# Altium PCB TestMod_SEAx.PcbDoc (part 2 of 3)
Units mil, origin at the board's own origin, x right, y up, seen from the top; angles counter-clockwise.
Board outline 3972.98 x 2716.54 mil, 4 copper layers (Top Layer, GND, Power, Bottom Layer), stack 57.48 mil thick; 154 components, 159 nets, 915 pads, 889 vias.
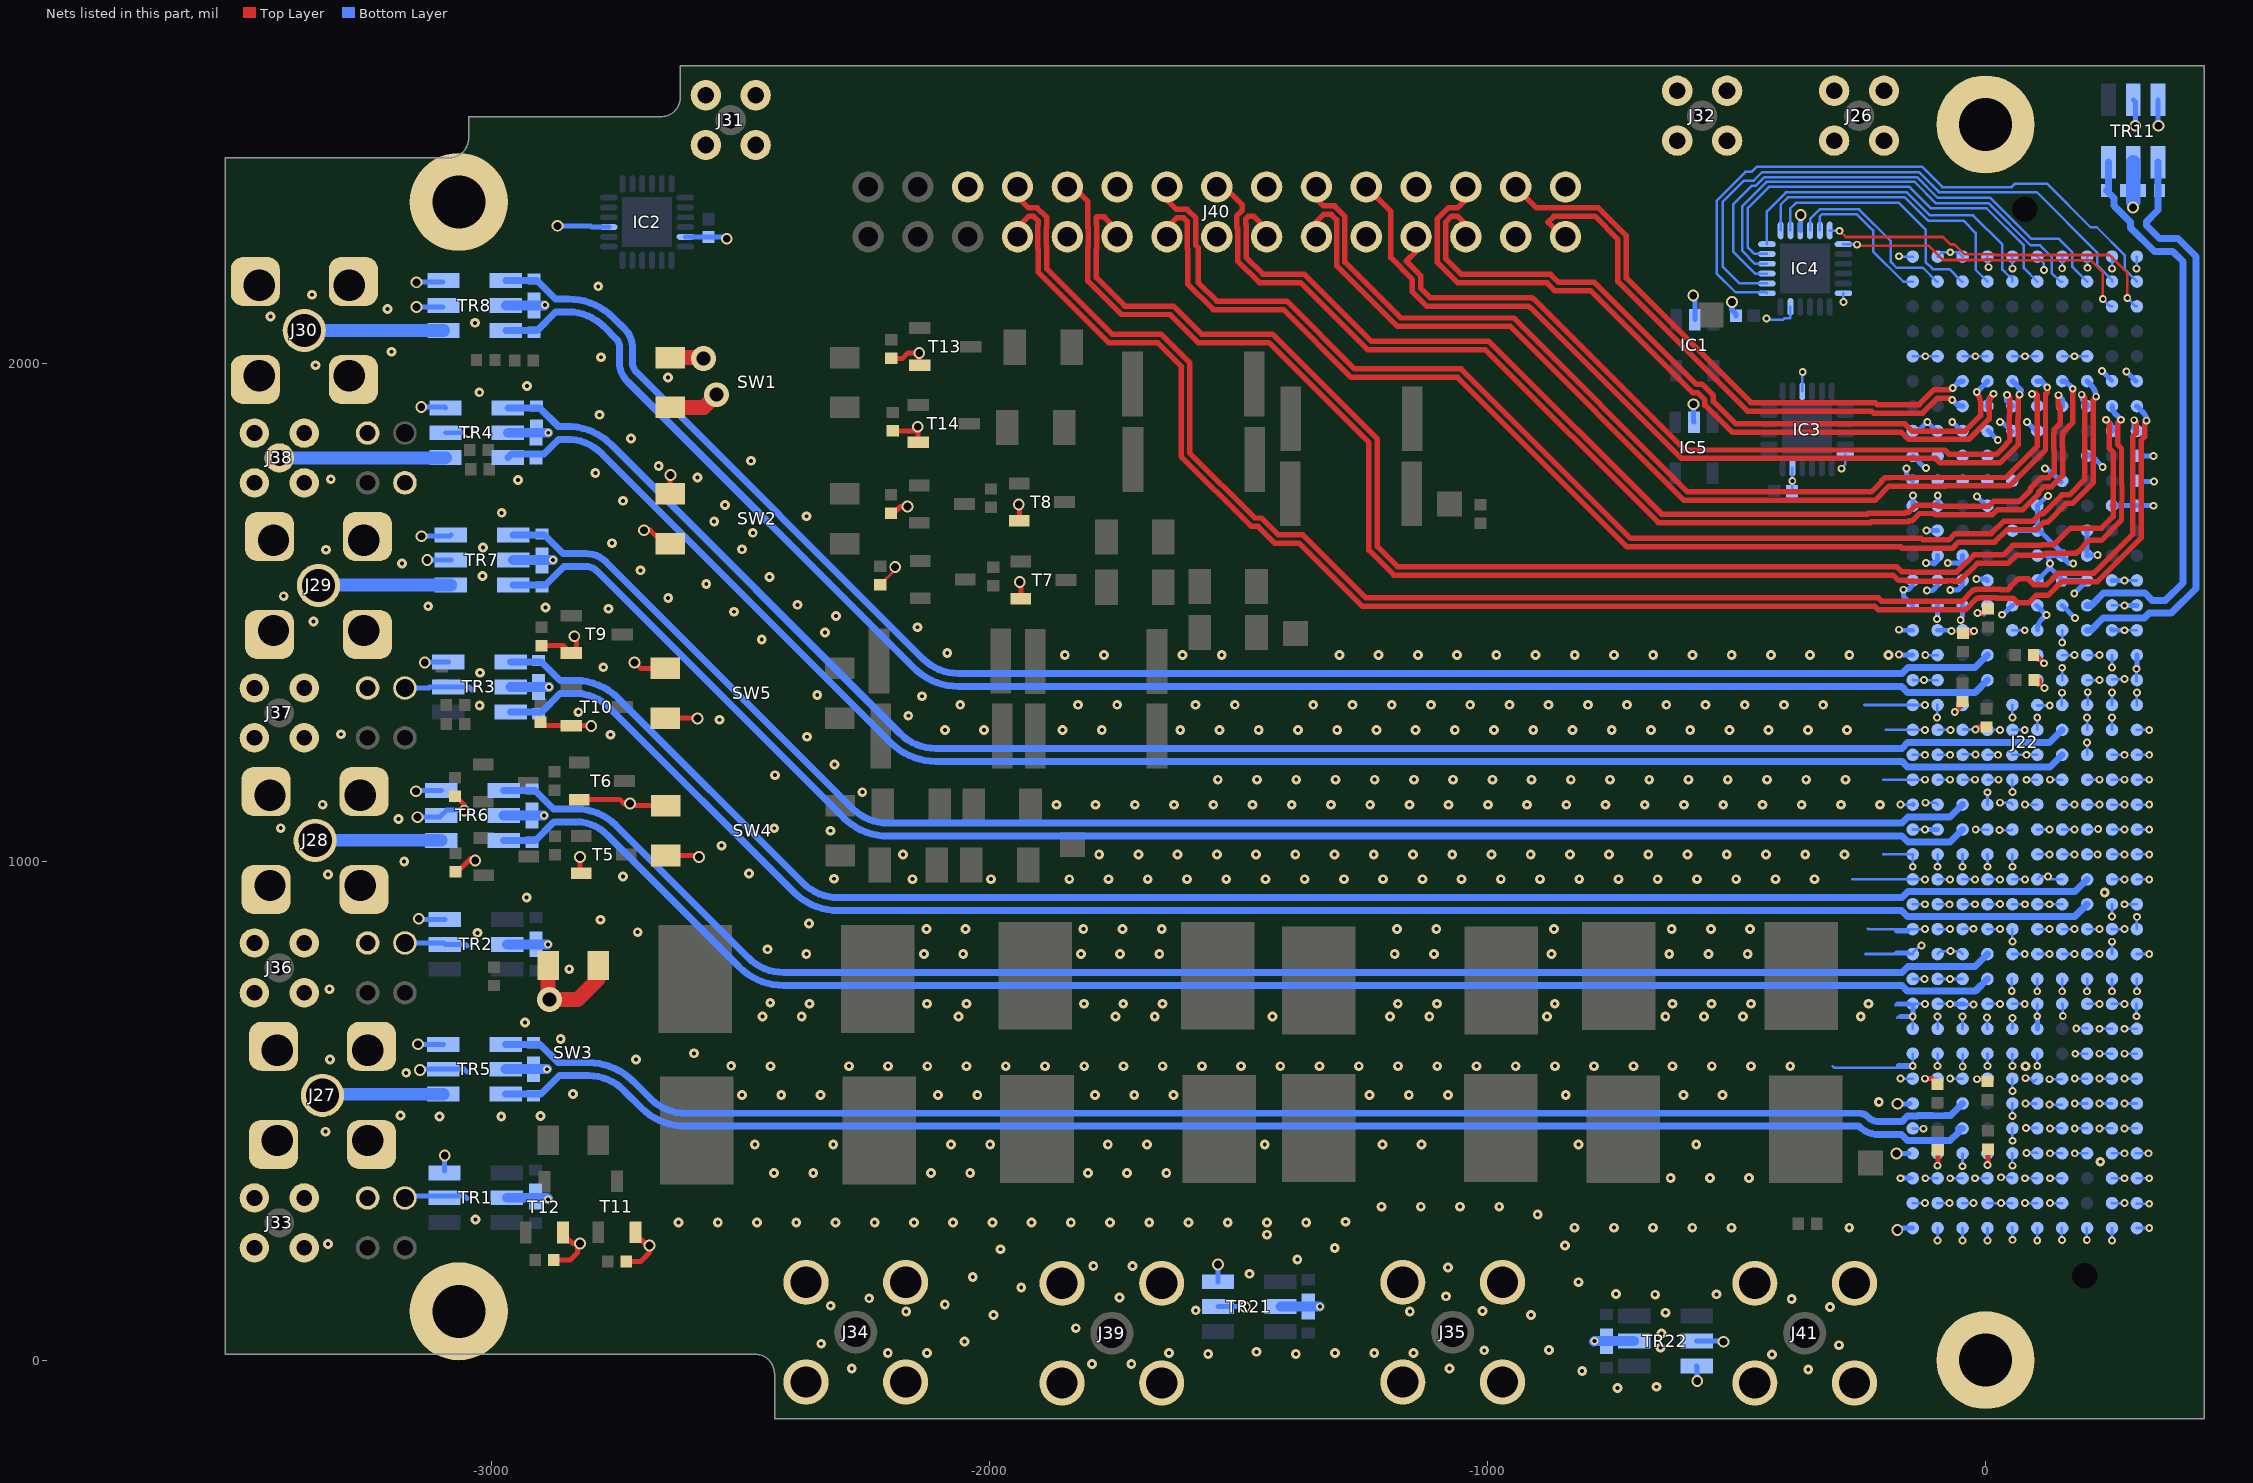
[diagram p4: the nets of this part, all layers, seen from the top]

## Via types
v1: diameter 19.68, hole 7.87, Top Layer to Bottom Layer, tented both sides, 436 vias
v2: diameter 15.75, hole 7.87, Top Layer to Bottom Layer, tented both sides, 372 vias
v3: diameter 23.62, hole 15.75, Top Layer to Bottom Layer, tented both sides, 64 vias
v4: diameter 50, hole 28, Top Layer to Bottom Layer, tented both sides, 13 vias
v5: diameter 15.75, hole 10, Top Layer to Bottom Layer, tented both sides, 4 vias

## Nets (pads, with @x,y where several pads share a name; then routed paths per layer and width w, separated by ;. In a path a pad name is that pad's centre, name@x,y a point inside that pad or via, vN(x,y) a via of type N, cw(c..) or ccw(c..) an arc to the next point about the centre after c; other vN are vias at no path point) (continued)
ADC2_IN_N: C9.1 J22.c14 TR3.4 | length 3379.1
  Bottom Layer w14: TR3.4@-2960.77,1301.27 -2898.44,1301.27 -2861.44,1338.27 -2831,1338.27 ; -2818,1338.27 -2831,1338.27 ; -2392.46,939.46 -2763.18,1310.18 ccw(c-2831,1242.35) -2831,1338.27 ; -2392.44,939.44 ccw(c-2303.37,1028.56) -2303.37,902.56 -168.45,902.56 -156.45,890.56 -151,890.56 -150.79,890.35 178.93,890.35 J22.c14@203.74,915.16
ADC2_IN_P: C8.1 J22.c15 TR3.6 | length 3378.9
  Bottom Layer w14: TR3.6@-2960.77,1401.27 -2898.98,1401.27 -2861.98,1364.27 -2831,1364.27 ; -2818,1364.27 -2831,1364.27 ; J22.c15@203.74,965.16 179.14,940.56 -155.65,940.56 -167.65,928.56 -2303.37,928.56 cw(c-2303.37,1028.56) -2374.08,957.85 -2744.79,1328.56 ccw(c-2831,1242.35) -2831,1364.27
ADC3: J38.1 TR4.3 | length 333.7
  Bottom Layer w25.43: J38.1@-3425.2,1811.02 -3093.15,1811.02 ccw(c-3093.15,1813.11) TR4.3@-3091.67,1811.64
ADC3_IN_N: C11.1 J22.d20 TR4.4 | length 3408.4
  Bottom Layer w14: TR4.4@-2966.47,1811.64 -2959.47,1818.64 -2894.25,1818.64 -2864.6,1848.28 -2839.64,1848.28 cw(c-2848.06,1748.64) -2777.35,1819.35 -2197.06,1239.06 ; -2197.03,1239.03 ccw(c-2107.97,1328.16) -2107.97,1202.16 -168.05,1202.16 -156.45,1190.56 129.14,1190.56 J22.d20@153.74,1215.16
ADC3_IN_P: C10.1 J22.d21 TR4.6 | length 3426.3
  Bottom Layer w14: TR4.6@-2966.47,1911.64 -2902.35,1911.64 -2865.35,1874.64 ; -2848.06,1874.64 -2865.35,1874.64 ; J22.d21@153.74,1265.16 128.54,1239.96 -152.21,1239.96 -152.42,1239.76 -156.45,1239.76 -168.05,1228.16 -2107.97,1228.16 cw(c-2107.97,1328.16) -2178.68,1257.45 -2758.96,1837.73 ccw(c-2848.06,1748.64) -2838.6,1874.28 -2865,1874.28 -2865.35,1874.64
CAL_ADC_CH1: J22.g32
CAL_ADC_CH2: J22.h32
CAL_ADC_CH3: J22.j32
CAL_ADC_CH4: J22.f31
CAL_ADC_CH5: J22.g31
CAL_ADC_CH6: J22.h31
CAL_ADC_CH7: J22.j31
DAC0: J27.1 TR5.3 | length 243.3
  Bottom Layer w25.43: J27.1@-3338.58,531.5 cw(c-3332.61,525.53) -3332.61,533.97 TR5.3@-3095.93,533.97
DAC0_OUT_N: C13.1 J22.h5 TR5.4 | length 2996.4
  Bottom Layer w14: TR5.4@-2970.73,533.97 -2900,533.97 -2863,570.97 -2804.45,570.97 cw(c-2804.45,470.97) -2733.74,541.68 -2698.58,506.52 ccw(c-2609.48,595.62) -2609.48,469.62 -254.38,469.62 ccw(c-213.21,510.79) -213.21,452.56 -168.45,452.56 -156.45,440.56 -71.07,440.56 -54.32,457.31 -54.32,465.16 J22.h5@-46.26,465.16
DAC0_OUT_P: C12.1 J22.h6 TR5.6 | length 2992.1
  Bottom Layer w14: TR5.6@-2970.73,633.97 -2902,633.97 -2865,596.97 -2804.45,596.97 cw(c-2804.45,470.97) -2715.35,560.06 -2680.19,524.9 ccw(c-2609.48,595.62) -2679.57,524.29 ccw(c-2609.48,595.62) -2609.48,495.62 -254.38,495.62 cw(c-254.38,469.62) -236,488 ccw(c-213.21,510.79) -213.21,478.56 -167.65,478.56 -156.45,489.76 -136.88,489.76 -135.63,491 -106.89,491 -106.45,490.56 -83.03,490.56 -82.43,491.16 -70.26,491.16 J22.h6@-46.26,515.16
DAC1: J28.1 TR6.3 | length 253.5
  Bottom Layer w25.43: J28.1@-3353.38,1043.31 -3353.24,1043.45 TR6.3@-3099.93,1043.45
DAC1_OUT_N: C15.1 J22.g11 TR6.4 | length 3145.6
  Bottom Layer w14: TR6.4@-2974.73,1043.45 -2911.27,1043.45 -2874.27,1080.45 -2829,1080.45 ; -2819,1080.45 -2829,1080.45 ; J22.g11@3.74,765.16 -20.86,740.56 -156.45,740.56 -168.17,752.28 -2412.86,752.28 cw(c-2412.86,878.28) -2501.95,789.18 -2767.92,1055.15 ccw(c-2829,994.06) -2829,1080.45
DAC1_OUT_P: C14.1 J22.g12 TR6.6 | length 3145.9
  Bottom Layer w14: TR6.6@-2974.73,1143.45 -2912.16,1143.45 -2875.16,1106.45 -2829,1106.45 ; -2819,1106.45 -2829,1106.45 ; J22.g12@3.74,815.16 -21.42,790 -156.21,790 -167.93,778.28 -2412.86,778.28 cw(c-2412.86,878.28) -2483.57,807.57 -2749.53,1073.53 ccw(c-2829,994.06) -2829,1106.45
DAC2: J29.1 TR7.3 | length 265.8
  Bottom Layer w25.43: J29.1@-3346.46,1555.12 cw(c-3343.95,1552.61) -3343.95,1556.16 TR7.3@-3080.93,1556.16
DAC2_OUT_N: C17.1 J22.h17 TR7.4 | length 3157.6
  Bottom Layer w14: TR7.4@-2955.73,1556.16 -2890.56,1556.16 -2853.56,1593.16 -2809.84,1593.16 cw(c-2809.84,1561.99) -2787.8,1584.03 -2292.67,1088.9 ccw(c-2203.58,1178) -2203.58,1052 -167.89,1052 -155.89,1040 -71.42,1040 J22.h17@-46.26,1065.16
DAC2_OUT_P: C16.1 J22.h18 TR7.6 | length 3157.6
  Bottom Layer w14: TR7.6@-2955.73,1656.16 -2892.87,1656.16 -2855.87,1619.16 -2809.84,1619.16 cw(c-2809.84,1561.99) -2769.42,1602.42 -2274.29,1107.29 ccw(c-2203.58,1178) -2203.58,1078 -168.21,1078 -156.21,1090 -71.42,1090 J22.h18@-46.26,1115.16
DAC3: J30.1 TR8.3 | length 279.5
  Bottom Layer w25.43: J30.1@-3375.03,2066.93 -3374.96,2067 TR8.3@-3095.6,2067
DAC3_OUT_N: C19.1 J22.g23 TR8.4 | length 3350.4
  Bottom Layer w14: TR8.4@-2970.4,2067 -2907.39,2067 -2870.39,2104 -2844.42,2104 ; -2833.65,2104 -2844.42,2104 ; J22.g23@3.74,1365.16 -20.86,1340.56 -156.45,1340.56 -168.35,1352.46 -2062.03,1352.46 cw(c-2062.03,1478.46) -2151.13,1389.36 -2726.81,1965.04 cw(c-2688.86,2003) -2742.54,2003 -2742.54,2034.39 ccw(c-2764.61,2034.39) -2749,2050 -2773.71,2074.71 ccw(c-2844.42,2004) -2844.42,2104
DAC3_OUT_P: C18.1 J22.g24 TR8.6 | length 3339.8
  Bottom Layer w14: TR8.6@-2970.4,2167 -2907.71,2167 -2870.71,2130 -2844.42,2130 cw(c-2844.42,2004) -2755.33,2093.1 -2730.62,2068.38 cw(c-2764.61,2034.39) -2716.54,2034.39 -2716.54,2003 ccw(c-2688.86,2003) -2708.44,1983.44 -2132.75,1407.74 ccw(c-2062.03,1478.46) -2062.03,1378.46 -167.75,1378.46 -155.86,1390.35 -21.07,1390.35 J22.g24@3.74,1415.16
GND: B7.1 B8.1 B9.1 B10.1 C4.2 C5.2 C6.2 C7.2 C8.2 C9.2 C10.2 C11.2 C12.2 C13.2 C14.2 C15.2 C16.2 C17.2 C18.2 C19.2 C20.2 C21.2 C23.2 C24.2 C25.2 C44.2 C45.1 C46.1 C47.1 IC1.2 IC2.9 IC2.23 IC3.9 IC3.18 IC3.23 IC4.9 IC4.18 IC4.23 IC5.2 J22.a1 J22.a2 J22.a3 J22.a4 J22.a5 J22.a6 J22.a7 J22.a8 J22.a9 J22.a10 J22.a11 J22.a12 J22.a13 J22.a14 J22.a15 J22.a16 J22.a17 J22.a18 J22.a19 J22.a20 J22.a21 J22.a22 J22.a23 J22.a24 J22.a25 J22.a26 J22.a27 J22.a30 J22.a31 J22.a32 J22.a35 J22.a40 J22.b1 J22.b2 J22.b3 J22.b4 J22.b5 J22.b6 J22.b7 J22.b8 J22.b9 J22.b10 J22.b11 J22.b12 J22.b13 J22.b14 J22.b15 J22.b16 J22.b17 J22.b18 J22.b19 J22.b20 J22.b21 J22.b22 J22.b23 J22.b24 J22.b25 J22.b26 J22.b27 J22.b30 J22.b35 J22.b40 J22.c1 J22.c4 J22.c5 J22.c6 J22.c7 J22.c8 J22.c9 J22.c10 J22.c11 J22.c12 J22.c13 J22.c16 J22.c17 J22.c18 J22.c19 J22.c20 J22.c21 J22.c22 J22.c23 J22.c24 J22.c27 J22.c28 J22.c29 J22.c32 J22.c36 J22.c40 J22.d1 J22.d2 J22.d3 J22.d4 J22.d5 J22.d6 J22.d7 J22.d10 J22.d11 J22.d12 J22.d13 J22.d14 J22.d15 J22.d16 J22.d17 J22.d18 J22.d19 J22.d22 J22.d23 J22.d24 J22.d25 J22.d26 J22.d27 J22.d28 J22.d31 J22.d36 J22.d40 J22.e1 J22.e2 J22.e3 J22.e4 J22.e5 J22.e6 J22.e7 J22.e8 J22.e9 J22.e10 J22.e11 J22.e12 J22.e13 J22.e14 J22.e15 J22.e16 J22.e17 J22.e18 J22.e19 J22.e20 J22.e21 J22.e22 J22.e23 J22.e24 J22.e25 J22.e26 J22.e27 J22.e28 J22.e29 J22.e30 J22.e33 J22.e36 J22.e40 J22.f1 J22.f2 J22.f3 J22.f4 J22.f5 J22.f6 J22.f7 J22.f8 J22.f9 J22.f10 J22.f11 J22.f12 J22.f13 J22.f14 J22.f15 J22.f16 J22.f17 J22.f18 J22.f19 J22.f20 J22.f21 J22.f22 J22.f25 J22.f26 J22.f29 J22.f33 J22.f36 J22.f40 J22.g1 J22.g2 J22.g3 J22.g4 J22.g7 J22.g8 J22.g9 J22.g10 J22.g13 J22.g14 J22.g15 J22.g16 J22.g17 J22.g18 J22.g19 J22.g20 J22.g21 J22.g26 J22.g27 J22.g30 J22.g33 J22.g36 J22.g40 J22.h1 J22.h2 J22.h3 J22.h4 J22.h7 J22.h8 J22.h9 J22.h10 J22.h11 J22.h12 J22.h13 J22.h14 J22.h15 J22.h16 J22.h19 J22.h20 J22.h21 J22.h22 J22.h25 J22.h26 J22.h27 J22.h28 J22.h33 J22.h36 J22.h40 J22.j1 J22.j2 J22.j3 J22.j4 J22.j7 J22.j8 J22.j9 J22.j10 J22.j11 J22.j12 J22.j13 J22.j14 J22.j15 J22.j16 J22.j17 J22.j18 J22.j19 J22.j20 J22.j21 J22.j22 J22.j23 J22.j24 J22.j25 J22.j26 J22.j27 J22.j28 J22.j29 J22.j30 J22.j33 J22.j36 J22.j40 J22.k1 J22.k2 J22.k3 J22.k4 J22.k5 J22.k6 J22.k7 J22.k8 J22.k9 J22.k10 J22.k11 J22.k12 J22.k13 J22.k14 J22.k15 J22.k16 J22.k17 J22.k18 J22.k19 J22.k20 J22.k21 J22.k22 J22.k23 J22.k24 J22.k25 J22.k26 J22.k27 J22.k30 J22.k31 J22.k32 J22.k33 J22.k36 J22.k40 J26.2 J27.2 J28.2 J29.2 J30.2 J31.2 J32.2 J33.2 J34.2 J35.2 J36.2 J37.2 J38.2 J39.2 J40.1 J40.4 J40.7 J40.10 J40.13 J40.16 J40.19 J40.22 J40.25 J41.2 LD1.2 LD2.1 LD3.1 LD4.1 LD5.1 LD6.1 LD7.1 LD8.1 R1.1 R2.1 R3.1 R4.1 R5.1 R6.1 R7.1 R8.1 R9.1 R10.1 R17.2 R18.2 R19.2 R20.2 R43.2 R44.2 R45.2 R46.2 R47.2 R48.2 SW1.3 SW1.4 SW2.3 SW2.4 SW3.3 SW3.4 SW4.3 SW4.4 SW5.3 SW5.4 T5.2 T6.2 T7.2 T8.2 T9.2 T10.2 T11.2 T12.2 T13.2 T14.2 TR1.1 TR1.2 TR1.5 TR2.1 TR2.2 TR2.5 TR3.1 TR3.2 TR3.5 TR4.1 TR4.2 TR4.5 TR5.1 TR5.2 TR5.5 TR6.1 TR6.2 TR6.5 TR7.1 TR7.2 TR7.5 TR8.1 TR8.2 TR8.5 TR11.1 TR11.2 TR11.5 TR21.1 TR21.2 TR21.5 TR22.1 TR22.2 TR22.5 | length 13487.4
  Top Layer w5.3: R19.2@-2219,1556.5 -2189,1586.5 v3(-2189,1592) ; v2(-17,564) -0.22,564 R9.1@3.94,559.84
  Top Layer w10: R18.2@-3072.84,1124.84 R18.2@-3072.84,1132.09 -3071.09,1132.09 -3053.02,1114.02 -3054,1113.05 v3(-3054,1103) ; R17.2@-3071.85,980.51 -3067.55,980.51 -3041.06,1007 v3@-3029.86,1007 ; R44.2@-2901,1280.5 -2894.14,1273.64 T10.2@-2839.57,1273.64 -2799.64,1273.64 v3(-2799,1273) ; R43.2@-2898.62,1434.27 -2854.53,1434.27 T9.2@-2839.57,1419.31 -2839.57,1420.69 -2829,1431.25 -2829,1449 v3(-2833,1453) ; R46.2@-2874.55,201.03 -2840.97,201.03 -2827,215 -2827,234 -2836,234 -2849,247 ccw(c-2851.48,244.52) T12.2@-2851.48,248.03 ; T6.2@-2822.84,1125 -2741.14,1125 -2733.27,1117.13 v3(-2721.46,1117.13) -2717.32,1112.99 SW4.3@-2649.61,1112.99 ; T5.2@-2821.85,977.36 v3(-2821.85,1009.84) ; R45.2@-2729.07,198.08 -2699.92,198.08 -2682,216 v3(-2682,230) -2687,230 T11.2@-2702.08,245.08 ; v3(-2712,1400.68) -2699.9,1388.58 SW5.3@-2650.59,1388.58 ; v3(-2693,1666) -2680.53,1666 -2653.5,1638.98 SW2.4@-2640.75,1638.98 ; SW5.4@-2650.59,1288.58 -2586.58,1288.58 v3(-2586,1288) ; SW4.4@-2649.61,1012.99 -2585.83,1012.99 v3(-2582.68,1009.84) ; SW2.3@-2640.75,1738.98 -2640.75,1776.25 v3(-2640,1777) ; R20.2@-2197.44,1700 -2191.93,1700 -2178.35,1713.58 v3(-2164.37,1713.58) ; R47.2@-2196.85,2011.02 -2174.02,2011.02 -2163.39,2021.65 v3(-2140.75,2021.65) -2140.75,1998.03 T13.2@-2139.76,1997.05 ; R48.2@-2193.9,1865.35 v3@-2143.51,1865.35 ; v3(-2143.51,1873.82) v3@-2143.51,1865.35 ; T14.2@-2142.72,1842.52 -2143.51,1843.3 v3@-2143.51,1865.35 ; v3(-1940.94,1717.52) -1939.57,1716.14 T8.2@-1939.57,1685.04 ; v3(-1938.98,1562.01) -1936.62,1559.65 T7.2@-1936.62,1528.54 ; v2(-121.81,565) -107.76,565 R2.1@-96.26,553.5 ; v2(-96.26,390.35) -96,390.61 R1.1@-96,422.06 ; v2(-62,1301) -46.26,1316.74 R5.1@-46.26,1322.05 ; R8.1@-45.28,1459.45 -27.55,1459.45 v2(-23,1464) ; v2(-20.19,1266) -15.33,1270.87 R3.1@1.97,1270.87 ; v2(-16,1500) -15,1499 -4.74,1499 R10.1@4.92,1508.66 ; v2(3.74,392) 4.92,393.18 R7.1@4.92,423.43 ; R6.1@96.26,1415.35 103,1415.35 103,1413 v2(117,1399) ; R4.1@97.24,1365.16 108,1365.16 108,1359 v2(118,1349) ; v3@296.41,2474.26 300.15,2478 v3(300.58,2478)
  Top Layer w30: SW3.4@-2885,792.2 -2885.63,791.57 -2885.63,738.91 v4@-2884.91,738.19 ; v4(-2883,724) -2826.09,724 -2785,765.09 SW3.3@-2785,792.2 ; SW1.4@-2640.75,1912.6 -2572.64,1912.6 v4(-2547.24,1937.99) ; SW1.3@-2640.75,2012.6 v4@-2573.62,2012.6
  Bottom Layer w5: v2(-440,2091) -437.95,2088.95 -405.86,2088.95 -403.82,2091 -391.73,2091 IC4.23@-391.73,2114.17 ; C46.1@-388.78,1744.09 C46.1@-388,1744.87 ; v2(-388,1765) C46.1@-388,1744.87 ; IC3.23@-387.8,1791.34 -387.8,1745.08 C46.1@-388,1744.87 ; IC3.9@-368.11,1944.88 -368.11,1978.35 v2@-367.2,1977.44 ; v2(-367.2,1983.9) v2@-367.2,1977.44 ; v2@-367.06,1977.3 v2@-367.2,1977.44 ; v2(-289.38,1789.46) -289.38,1791.32 -281.5,1799.21 IC3.18@-281.5,1818.9 ; v2(-285.43,2124.34) IC4.18@-285.43,2141.73 ; v2(-174,2216) -173.16,2215.16 J22.k40@-146.26,2215.16 ; J22.k36@-146.26,2015.16 v2(-121.06,2015.16) J22.j36@-96.26,2015.16 ; J22.j40@-96.26,2215.16 -87.42,2224 v2(-71,2224) -55.1,2224 J22.h40@-46.26,2215.16 ; J22.h36@-46.26,2015.16 v2(-20.67,2015.16) J22.g36@3.74,2015.16 ; J22.g40@3.74,2215.16 3.74,2196.26 v2(6,2194) ; J22.f36@53.74,2015.16 v2(78.74,2015.16) J22.e36@103.74,2015.16 ; v2(53.74,2190.94) J22.f40@53.74,2215.16 ; J22.e40@103.74,2215.16 117,2201.9 v2(117,2188) ; J22.d36@153.74,2015.16 v2(178.15,2015.16) J22.c36@203.74,2015.16 ; v2(153.74,2191.73) J22.d40@153.74,2215.16 ; J22.c40@203.74,2215.16 203.74,2193.33 v2(204.34,2192.73) ; J22.b40@253.74,2215.16 254,2214.9 v2(254,2191) ; v2(303.15,2190.94) 303.74,2191.53 J22.a40@303.74,2215.16
  Bottom Layer w5.3: -307.02,590.08 -304,587.06 -154.21,587.06 ccw(c-154.21,598.3) v2(-146.26,590.35) J22.k8@-146.26,615.16 ; -267.25,965.48 -266.93,965.16 J22.k15@-146.26,965.16 v2(-121.46,965.16) ; -243.47,1315.54 -243.1,1315.16 J22.k22@-146.26,1315.16 v2(-121.46,1315.16) ; -241.16,815.2 -241.11,815.16 J22.k12@-146.26,815.16 ; -236.31,865.64 -235.83,865.16 J22.k13@-146.26,865.16 v2(-121.46,865.16) ; -205.47,1165.24 -205.39,1165.16 J22.k19@-146.26,1165.16 v2(-121.46,1165.16) ; -204.95,1015.08 -204.87,1015.16 J22.k16@-146.26,1015.16 v2(-146.26,990.35) ; -200.41,1265.08 -200.33,1265.16 J22.k21@-146.26,1265.16 v2(-121.46,1265.16) ; -180.98,713 cw(c-175.77,707.79) -175.77,715.16 J22.k10@-146.26,715.16 v2(-121.46,715.16) ; -177.61,687.08 cw(c-170.64,680.11) -170.64,689.96 v2(-146.26,689.96) J22.k9@-146.26,665.16 ; v2(-171.07,365.16) J22.k3@-146.26,365.16 ; v2(-171.07,565.16) J22.k7@-146.26,565.16 ; v2(-171.07,1115.16) J22.k18@-146.26,1115.16 ; J22.k12@-148,816 -132,832 v2(-129,832) ; J22.k2@-146.26,315.16 v2(-121.46,315.16) ; J22.k5@-146.26,465.16 -145.67,464.57 v2(-125,464.57) ; J22.k11@-146.26,765.16 v2(-123,765.16) ; J22.k14@-146.26,915.16 v2(-121.46,915.16) ; J22.k17@-146.26,1065.16 v2(-121.46,1065.16) ; J22.k20@-146.26,1215.16 v2(-121.46,1215.16) ; J22.k23@-146,1366 -145,1365 v2(-124,1365) -123.84,1365.16 J22.j23@-96.26,1365.16 ; v2(-121.81,565) J22.j7@-97,565 ; v2(-121.07,365.16) J22.j3@-96.26,365.16 ; v2(-121.07,1415.16) J22.j24@-96.26,1415.16 ; v2(-121,1119) -100.1,1119 J22.j18@-96.26,1115.16 ; v2(-97.42,1290.35) J22.j22@-97.42,1315.16 ; J22.j2@-97,315.16 J22.j2@-96.26,315.16 v2(-72.19,315.16) ; J22.j14@-97,915 v2(-72.19,915) ; v2(-96.26,240.35) J22.j1@-96.26,265.16 ; v2(-96.26,390.35) J22.j4@-96.26,415.16 ; v2(-96.26,590.35) J22.j8@-96.26,615.16 ; J22.j9@-96.26,665.16 v2(-96.26,689.96) ; J22.j10@-96.26,715.16 v2(-71.46,715.16) ; J22.j11@-96.26,765.16 v2(-71.46,765.16) J22.h11@-46.26,765.16 ; J22.j12@-96.26,815.16 -90.42,821 v2(-70.8,821) -52.1,821 J22.h12@-46.26,815.16 ; J22.j13@-96.26,865.16 v2(-71.46,865.16) ; J22.j15@-96.26,965.16 v2(-71.46,965.16) ; v2(-96.26,990.35) J22.j16@-96.26,1015.16 ; J22.j19@-96.26,1165.16 v2(-71.46,1165.16) ; J22.j20@-96.26,1215.16 v2(-71.46,1215.16) ; J22.j21@-95,1265.16 v2(-70.19,1265.16) ; v2(-71.07,365.16) J22.h3@-46.26,365.16 ; v2(-71.07,565.16) J22.h7@-46.26,565.16 ; v2(-62,1301) -57.55,1301 J22.h22@-47.71,1310.84 ; v2(-46.26,240.35) J22.h1@-46.26,265.16 ; J22.h2@-46.26,315.16 v2(-24,315.16) ; v2(-46.26,389.19) J22.h4@-46.26,414 ; J22.h9@-46.26,665.16 v2(-46.26,689.96) ; J22.h10@-46.26,715.16 -45.91,714.8 -45,713.9 v2(-24,713.9) ; J22.h13@-46.26,865.16 -45.42,866 v2(-24,866) ; J22.h14@-46.26,915.16 v2(-21.46,915.16) ; J22.h15@-46.26,965.16 v2(-21.46,965.16) ; v2(-46.26,990.35) J22.h16@-46.26,1015.16 ; J22.h19@-46.26,1165.16 v2(-21.46,1165.16) ; v2(-46,589.19) J22.h8@-46,614 ; J22.h20@-45.28,1216 v2(-20.47,1216) ; J22.h21@-45,1266 v2(-20.19,1266) ; v2(-21.07,365.16) J22.g3@3.74,365.16 ; v2(-19.88,1065) J22.g17@4.92,1065 ; v2(-17,564) 2.58,564 J22.g7@3.74,565.16 ; v2(2.95,688) 2.95,665.94 J22.g9@3.74,665.16 ; v2(3.74,240.35) J22.g1@3.74,265.16 ; J22.g2@3.74,315.16 v2(31,315.16) J22.f2@53.74,315.16 ; v2(3.74,392) J22.g4@3.74,415.16 ; v2(3.74,590.35) J22.g8@3.74,615.16 ; J22.g10@3.74,715.16 v2(28.54,715.16) ; J22.g13@3.74,865.16 v2(28.54,865.16) ; J22.g14@3.74,915.16 28.35,915.16 v2(28.54,915.35) ; J22.g15@3.74,965.16 v2(28.54,965.16) ; v2(3.74,990.35) J22.g16@3.74,1015.16 ; J22.g18@3.74,1115.16 v2(3.74,1139.96) ; J22.g20@3.74,1215.16 v2(25,1215.16) ; J22.g21@3.74,1265.16 v2(28.54,1265.16) ; J22.g19@4,1166 4.84,1165.16 v2(26,1165.16) ; v2(28,1064) 52.58,1064 J22.f17@53.74,1065.16 ; v2(29,1119) 49.9,1119 J22.f18@53.74,1115.16 ; v2(31,367) 51.9,367 J22.f3@53.74,365.16 ; J22.f9@52.52,665.16 54,666.64 v2(54,687.08) ; v2(52.52,741.31) J22.f11@52.52,766.12 ; v2(53.74,241.58) J22.f1@53.74,265.16 J22.f1@53.74,266.38 ; v2(53.74,390.35) J22.f4@53.74,415.16 ; v2(53.74,440.35) J22.f5@53.74,465.16 ; v2(53.74,490.35) J22.f6@53.74,515.16 ; v2(53.74,540.35) J22.f7@53.74,565.16 ; v2(53.74,590.35) J22.f8@53.74,615.16 ; J22.f10@53.74,715.16 v2(78.54,715.16) ; J22.f12@53.74,815.16 v2(78.54,815.16) ; v2(53.74,840.35) J22.f13@53.74,865.16 ; J22.f14@53.74,915.16 v2(78.74,915.16) ; J22.f15@53.74,965.16 v2(79.33,965.16) ; v2(53.74,990.35) J22.f16@53.74,1015.16 ; v2(53.74,1140.35) J22.f19@53.74,1165.16 ; J22.f20@53.74,1215.16 v2(82,1215.16) J22.e20@103.74,1215.16 ; J22.f21@53.74,1265.16 v2(78.54,1265.16) ; v2(53.74,1290.35) J22.f22@53.74,1315.16 ; J22.f25@53.74,1465.16 v2(78.54,1465.16) ; v2(78.93,315.16) J22.e2@103.74,315.16 ; v2(78.93,365.16) J22.e3@103.74,365.16 ; v2(78.93,1115.16) J22.e18@103.74,1115.16 ; v2(80,515.16) 100.84,515.16 J22.e6@102,514 ; v2(80,566) 88,566 96,558 J22.e7@102,564 ; v2(81,466) 102.9,466 J22.e5@103.74,465.16 ; v2(82,416) 102.9,416 J22.e4@103.74,415.16 ; v2(82,1165) 103.58,1165 J22.e19@103.74,1165.16 ; v2(103.74,240.35) J22.e1@103.74,265.16 ; v2(103.74,590.35) J22.e8@103.74,615.16 ; v2(103.74,690.35) J22.e10@103.74,715.16 ; v2(103.74,740.35) J22.e11@103.74,765.16 ; J22.e12@103.74,815.16 v2(128.54,815.16) ; J22.e13@103.74,865.16 v2(128.54,865.16) ; J22.e14@103.74,915.16 v2(128.54,915.16) J22.d14@153.74,915.16 ; J22.e15@103.74,965.16 109.58,971 v2(125.19,971) 131.03,965.16 J22.d15@153.74,965.16 ; J22.e16@103.74,1015.16 v2(128.54,1015.16) ; J22.e17@103.74,1065.16 v2(128.54,1065.16) ; J22.e21@103.74,1265.16 v2(103.74,1289.96) ; J22.e23@103.74,1365.16 118,1350.9 v2(118,1349) ; J22.e24@103.74,1415.16 117,1401.9 v2(117,1399) ; J22.e22@104,1314 v2(128.81,1314) ; v2(128.19,513) J22.d6@153,513 ; v2(128.19,564) J22.d7@153,564 ; v2(128.93,315.16) J22.d2@153.74,315.16 ; v2(128.93,365.16) J22.d3@153.74,365.16 ; v2(128.93,415.16) J22.d4@153.74,415.16 ; v2(128.93,465.16) J22.d5@153.74,465.16 ; v2(128.93,1165.16) J22.d19@153.74,1165.16 ; v2(153,241.19) J22.d1@153,266 ; J22.d22@153,1315 v2(153,1339.81) ; J22.d10@153.74,715.16 155,713.9 v2(155,691) ; v2(153.74,740.35) J22.d11@153.74,765.16 ; J22.d12@153.74,815.16 v2(178.54,815.16) ; J22.d13@153.74,865.16 v2(178.54,865.16) ; J22.d16@153.74,1015.16 v2(178.54,1015.16) ; J22.d17@153.74,1065.16 v2(178.54,1065.16) ; J22.d18@153.74,1115.16 v2(178.54,1115.16) ; J22.d23@153.74,1365.16 v2(153.74,1389.96) ; J22.d24@153.74,1415.16 v2(178.54,1415.16) ; v2(153.74,1440.35) J22.d25@153.74,1465.16 ; v2(178.93,415.16) J22.c4@203.74,415.16 ; v2(178.93,465.16) J22.c5@203.74,465.16 ; v2(178.93,515.16) J22.c6@203.74,515.16 ; v2(178.93,565.16) J22.c7@203.74,565.16 ; v2(180,615) 203.58,615 J22.c8@203.74,615.16 ; v2(182,665.94) 202.95,665.94 J22.c9@203.74,665.16 ; v2(203.14,241.19) J22.c1@203.14,266 ; J22.c10@203.74,715.16 v2(228.54,715.16) ; v2(203.74,740.35) J22.c11@203.74,765.16 ; J22.c12@203.74,815.16 v2(228.54,815.16) ; J22.c13@203.74,865.16 v2(228.54,865.16) ; J22.c16@203.74,1015.16 v2(225,1015.16) ; J22.c17@203.74,1065.16 204.58,1066 v2(226,1066) ; J22.c18@203.74,1115.16 v2(228.54,1115.16) ; J22.c19@203.74,1165.16 v2(228.54,1165.16) ; J22.c20@203.74,1215.16 v2(203.74,1239.96) ; J22.c21@203.74,1265.16 v2(203.74,1289.96) ; J22.c23@203.74,1365.16 v2(228.54,1365.16) ; J22.c24@203.74,1415.16 v2(228.54,1415.16) ; J22.c22@205,1316 v2(205,1340.81) ; v2(228.93,465.16) J22.b5@253.74,465.16 ; v2(228.93,515.16) J22.b6@253.74,515.16 ; v2(228.93,565.16) J22.b7@253.74,565.16 ; v2(228.93,615.16) J22.b8@253.74,615.16 ; v2(228.93,665.16) J22.b9@253.74,665.16 ; v2(253.74,240.35) J22.b1@253.74,265.16 ; J22.b2@253.74,315.16 v2(278.54,315.16) ; J22.b3@253.74,365.16 v2(278.54,365.16) ; J22.b4@253.74,415.16 v2(278.54,415.16) ; J22.b10@253.74,715.16 v2(278.54,715.16) ; v2(253.74,740.35) J22.b11@253.74,765.16 ; J22.b12@253.74,815.16 v2(253.74,839.96) ; J22.b13@253.74,865.16 v2(278.54,865.16) ; v2(253.74,890.35) J22.b14@253.74,915.16 ; J22.b15@253.74,965.16 v2(278.54,965.16) ; J22.b16@253.74,1015.16 v2(278.54,1015.16) ; J22.b17@253.74,1065.16 v2(278.54,1065.16) ; J22.b18@253.74,1115.16 v2(278.54,1115.16) ; J22.b19@253.74,1165.16 v2(278.54,1165.16) ; J22.b20@253.74,1215.16 v2(278.54,1215.16) ; J22.b21@253.74,1265.16 v2(253.74,1289.96) ; J22.b22@253.74,1315.16 v2(253.74,1339.96) ; v2(253.74,1390.35) J22.b24@253.74,1415.16 ; J22.b26@253.74,1515.16 v2(278.54,1515.16) ; J22.b23@254,1367 v2(278.81,1367) ; v2(278.93,465.16) J22.a5@303.74,465.16 ; v2(278.93,515.16) J22.a6@303.74,515.16 ; v2(278.93,565.16) J22.a7@303.74,565.16 ; v2(278.93,615.16) J22.a8@303.74,615.16 ; v2(278.93,665.16) J22.a9@303.74,665.16 ; v2(278.93,915.16) J22.a14@303.74,915.16 ; v2(278.93,1465.16) J22.a25@303.74,1465.16 ; v2(278.93,1565.16) J22.a27@303.74,1565.16 ; J22.a4@302,415.16 J22.a4@303.74,415.16 v2(326.81,415.16) ; v2(303,690.35) J22.a10@303,715.16 ; J22.a23@303,1363 v2(303,1387.81) ; J22.a1@303.74,265.16 v2(328.54,265.16) ; J22.a2@303.74,314 v2(328.54,314) ; J22.a3@303.74,365.16 v2(328.54,365.16) ; v2(303.74,740.35) J22.a11@303.74,765.16 ; J22.a12@303.74,815.16 v2(328.54,815.16) ; J22.a13@303.74,865.16 v2(303.74,889.96) ; J22.a15@303.74,965.16 v2(328.54,965.16) ; J22.a16@303.74,1015.16 v2(328.54,1015.16) ; J22.a17@303.74,1065.16 v2(328.54,1065.16) ; J22.a18@303.74,1115.16 v2(328.54,1115.16) ; J22.a19@303.74,1165.16 v2(328.54,1165.16) ; J22.a20@303.74,1215.16 v2(328.54,1215.16) ; J22.a21@303.74,1265.16 v2(328.54,1265.16) ; J22.a22@303.74,1315.16 v2(303.74,1339.96)